# KiCad board motherboard.kicad_pcb (continued)
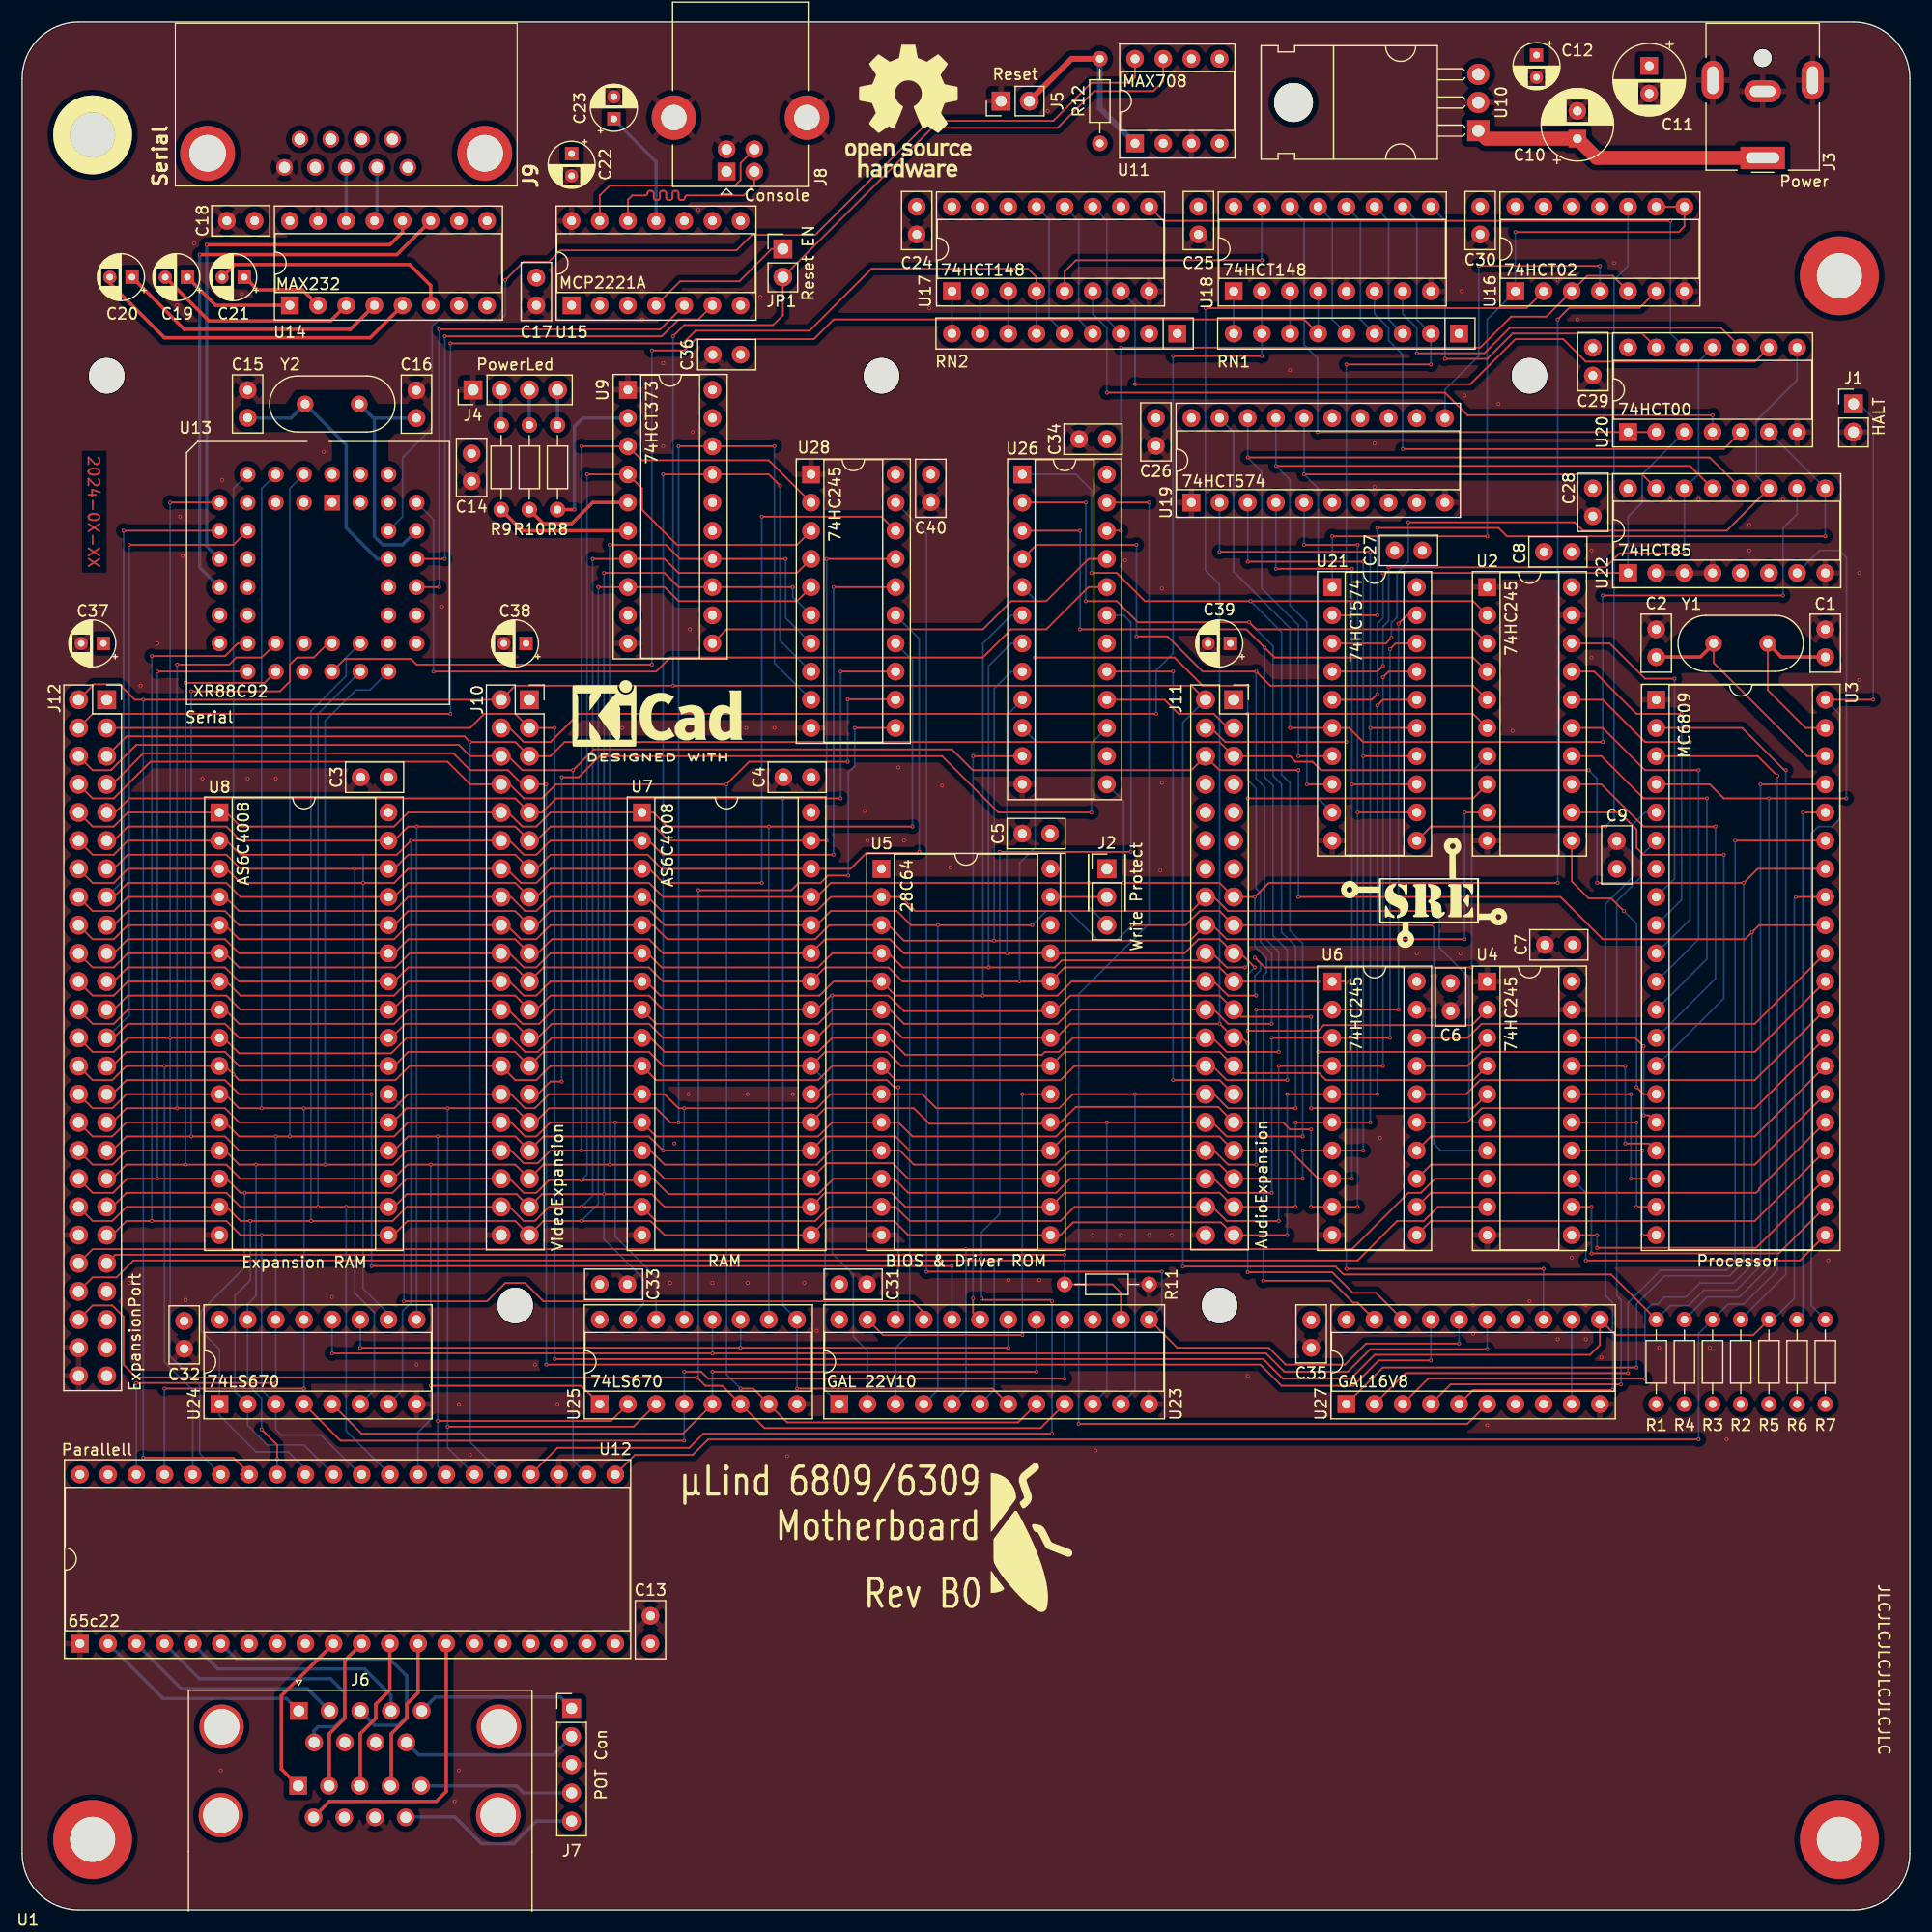
[diagram p0: board, top side]
## Nets
GND: C1.2 C2.2 C3.2 C4.2 C5.2 C6.2 C7.2 C8.2 C9.2 C10.2 C11.2 C12.2 C13.2 C14.2 C15.2 C16.2 C17.2 C18.2 C22.2 C23.2 C24.2 C25.2 C26.2 C27.2 C28.2 C29.2 C30.2 C31.2 C32.2 C33.2 C34.2 C35.2 C36.2 C37.2 C38.2 C39.2 C40.2 J1.2 J3.2 J3.MP J4.1 J5.1 J6.8 J6.18 J7.3 J8.4 J8.5 J9.5 J10.40 J11.40 J12.40 J12.48 J12.50 R11.2 U2.1 U2.10 U2.19 U3.1 U4.1 U4.10 U4.19 U5.14 U6.10 U6.19 U7.16 U8.16 U9.1 U9.10 U10.2 U11.3 U12.1 U12.23 U14.15 U15.14 U16.7 U17.8 U18.5 U18.8 U19.1 U19.10 U20.7 U21.10 U22.2 U22.3 U22.4 U22.8 U23.12 U24.8 U25.8 U26.12 U27.10 U28.1 U28.10
VCC: C3.1 C4.1 C5.1 C6.1 C7.1 C8.1 C9.1 C11.1 C12.1 C13.1 C14.1 C17.1 C18.1 C22.1 C24.1 C25.1 C26.1 C27.1 C28.1 C29.1 C30.1 C31.1 C32.1 C33.1 C34.1 C35.1 C36.1 C37.1 C38.1 C39.1 C40.1 J2.1 J6.7 J6.17 J10.1 J11.1 J12.1 J12.47 J12.49 R1.2 R2.2 R3.2 R4.2 R5.2 R6.2 R7.2 R12.1 RN1.1 RN2.1 U2.20 U3.7 U4.20 U5.28 U6.20 U7.32 U8.32 U9.20 U10.3 U11.2 U12.20 U13.40 U14.16 U15.1 U16.11 U16.12 U16.14 U17.16 U18.16 U19.20 U20.14 U21.20 U22.16 U23.24 U24.16 U25.16 U26.24 U27.20 U28.20
/A0: J10.32 J11.32 J12.32 U2.2 U5.10 U7.12 U8.12 U12.38 U13.2 U23.10 U24.14 U25.14 U26.1
/A1: J10.30 J11.30 J12.30 U2.3 U5.9 U7.11 U8.11 U12.37 U13.4 U23.11 U24.13 U25.13 U26.2
/A2: J10.28 J11.28 J12.28 U2.4 U5.8 U7.10 U8.10 U12.36 U13.6 U26.3
/A3: J10.26 J11.26 J12.26 U2.5 U5.7 U7.9 U8.9 U12.35 U13.7 U26.4
/A4: J10.24 J11.24 J12.24 U2.6 U5.6 U7.8 U8.8 U26.5
/A5: J10.22 J11.22 J12.22 U2.7 U5.5 U7.7 U8.7 U26.6
/A6: J10.20 J11.20 J12.20 U2.8 U5.4 U7.6 U8.6 U26.7
/A7: J10.18 J11.18 J12.18 U2.9 U5.3 U7.5 U8.5 U26.8
/A8: J10.19 J11.19 J12.19 U4.2 U5.25 U7.27 U8.27 U26.9
/A9: J10.21 J11.21 J12.21 U4.3 U5.24 U7.26 U8.26 U26.10
/A10: J10.27 J11.27 J12.27 U4.4 U5.21 U7.23 U8.23 U23.1
/A11: J10.23 J11.23 J12.23 U4.5 U5.23 U7.25 U8.25 U23.2
/A12: J10.16 J11.16 J12.16 U4.6 U5.2 U7.4 U8.4 U23.3
/A13: J10.17 J11.17 J12.17 U4.7 U7.28 U8.28 U23.4
/A14: J12.42 U4.8 U23.5
/A15: J12.44 U4.9 U23.6
/Address-Logic/A14/A0: U23.17 U24.5 U25.5
/Address-Logic/A15/A1: U23.16 U24.4 U25.4
/Address-Logic/BA: U3.6 U27.4
/Address-Logic/BS: U3.5 U27.5
/Address-Logic/Q: U3.35 U27.2
/Address-Logic/~{EXP_EN}: U26.14
/Address-Logic/~{IO_EN}: U23.19 U26.11
/Address-Logic/~{IRQ_EN}: U16.3 U16.5 U26.22
/Address-Logic/~{MAP_RD}: U23.18 U24.11 U25.11
/Address-Logic/~{MEM_EN}: U26.23 U27.6
/Address-Logic/~{MEM_RD}: U23.13 U27.16 U28.19
/Address-Logic/~{MEM_WR}: U24.12 U25.12 U27.15
/Address-Logic/~{PAR_EN}: U12.24 U26.19
/Address-Logic/~{POWERLED_EN}: U9.11 U26.21
/Address-Logic/~{PS2_EN}: U26.18
/Address-Logic/~{RAMH_EN}: U8.22 U23.21
/Address-Logic/~{RAML_EN}: U7.22 U23.22
/Address-Logic/~{ROM_EN}: U5.20 U23.23
/Address-Logic/~{R}/W: U6.1 U27.13
/Address-Logic/~{SER_EN}: U13.39 U26.20
/Address-Logic/~{SNDL_EN}: J11.29 U26.17
/Address-Logic/~{SNDR_EN}: J11.3 U26.16
/Address-Logic/~{VDC_EN}: J10.29 U26.15
/AM14: J10.14 J12.14 U7.3 U8.3 U24.10 U28.18
/AM15: J10.11 J12.11 U7.31 U8.31 U24.9 U28.17
/AM16: J10.12 J12.12 U7.2 U8.2 U24.7 U28.16
/AM17: J10.13 J12.13 U7.30 U8.30 U24.6 U28.15
/AM18: J10.10 J12.10 U7.1 U8.1 U25.10 U28.14
/AM19: J10.9 J12.9 U23.7 U25.9 U28.13
/AM20: J10.8 J12.8 U23.8 U25.7 U28.12
/AM21: J12.46 U23.9 U25.6 U28.11
/CPU_MEM/MRDY: R6.1 U3.36
/CPU_MEM/pA0: U2.18 U3.8
/CPU_MEM/pA1: U2.17 U3.9
/CPU_MEM/pA2: U2.16 U3.10
/CPU_MEM/pA3: U2.15 U3.11
/CPU_MEM/pA4: U2.14 U3.12
/CPU_MEM/pA5: U2.13 U3.13
/CPU_MEM/pA6: U2.12 U3.14
/CPU_MEM/pA7: U2.11 U3.15
/CPU_MEM/pA8: U3.16 U4.18
/CPU_MEM/pA9: U3.17 U4.17
/CPU_MEM/pA10: U3.18 U4.16
/CPU_MEM/pA11: U3.19 U4.15
/CPU_MEM/pA12: U3.20 U4.14
/CPU_MEM/pA13: U3.21 U4.13
/CPU_MEM/pA14: U3.22 U4.12
/CPU_MEM/pA15: U3.23 U4.11
/CPU_MEM/pD0: U3.31 U6.18
/CPU_MEM/pD1: U3.30 U6.17
/CPU_MEM/pD2: U3.29 U6.16
/CPU_MEM/pD3: U3.28 U6.15
/CPU_MEM/pD4: U3.27 U6.14
/CPU_MEM/pD5: U3.26 U6.13
/CPU_MEM/pD6: U3.25 U6.12
/CPU_MEM/pD7: U3.24 U6.11
/CPU_MEM/~{FIRQ}: R4.1 U3.4 U22.7
/CPU_MEM/~{HALT}: J1.1 R7.1 U3.40
/CPU_MEM/~{IRQ}: R3.1 U3.3 U12.21
/CPU_MEM/~{NMI}: R2.1 U3.2
/D0: J10.34 J11.34 J12.34 U5.11 U6.2 U7.13 U8.13 U9.3 U12.33 U13.28 U21.19 U24.15 U28.2
/D1: J10.36 J11.36 J12.36 U5.12 U6.3 U7.14 U8.14 U9.4 U12.32 U13.18 U21.18 U24.1 U28.3
/D2: J10.38 J11.38 J12.38 U5.13 U6.4 U7.15 U8.15 U9.7 U12.31 U13.27 U21.17 U24.2 U28.4
/D3: J10.39 J11.39 J12.39 U5.15 U6.5 U7.17 U8.17 U9.8 U12.30 U13.19 U21.16 U24.3 U28.5
/D4: J10.37 J11.37 J12.37 U5.16 U6.6 U7.18 U8.18 U9.13 U12.29 U13.26 U19.2 U21.15 U25.15 U28.6
/D5: J10.35 J11.35 J12.35 U5.17 U6.7 U7.19 U8.19 U9.14 U12.28 U13.20 U19.3 U21.14 U25.1 U28.7
/D6: J10.33 J11.33 J12.33 U5.18 U6.8 U7.20 U8.20 U9.17 U12.27 U13.25 U19.4 U21.13 U25.2 U28.8
/D7: J10.31 J11.31 J12.31 U5.19 U6.9 U7.21 U8.21 U9.18 U12.26 U13.21 U19.5 U21.12 U25.3 U28.9
/Expansion Ports/BAVAIL: J10.7 J12.7 U27.17
/Expansion Ports/E: J10.5 J11.5 J12.5 U3.34 U12.25 U27.1
/Expansion Ports/R/~{W}: J10.6 J11.6 J12.6 U3.32 U12.22 U27.3
/Expansion Ports/~{BREQ}: J10.3 J12.3 R5.1 U3.33 U27.11
/Expansion Ports/~{MAP_EN}: J12.41 R11.1 U23.14
/Expansion Ports/~{RAMX_EN}: J12.29 U23.20
/Expansion Ports/~{RD}: J10.25 J11.25 J12.25 U5.22 U7.24 U8.24 U13.10 U16.2 U27.18
/Expansion Ports/~{RST}: J10.2 J11.2 J12.2 JP1.2 R1.1 U3.37 U11.7 U12.34
/Expansion Ports/~{WR}: J2.3 J10.15 J11.15 J12.15 U7.29 U8.29 U13.9 U16.6 U26.13 U27.19
/Power-Management/RST: U11.8 U13.38
/Serial-Parallel/D+: J8.3 U15.13
/Serial-Parallel/D-: J8.2 U15.12
/~{IRQ_0}: RN2.6 U13.24 U18.4
/~{IRQ_1}: RN2.7 U18.3
/~{IRQ_2}: J10.4 RN2.8 U18.2
/~{IRQ_3}: RN2.9 U18.1
/~{IRQ_4}: RN2.5 U18.13
/~{IRQ_5}: RN2.4 U18.12
/~{IRQ_6}: RN2.3 U18.11
/~{IRQ_7}: J11.4 RN2.2 U18.10
/~{IRQ_8}: J12.4 RN1.6 U17.4
/~{IRQ_9}: RN1.7 U17.3
/~{IRQ_10}: RN1.8 U17.2
/~{IRQ_11}: RN1.9 U17.1
/~{IRQ_12}: RN1.5 U17.13
/~{IRQ_13}: RN1.4 U17.12
/~{IRQ_14}: RN1.3 U17.11
~{RD}': U27.9 U27.12
Net-(J2-Pin_2): J2.2 U5.27
Net-(J4-BA): J4.4 R8.1
Net-(J4-GA): J4.3 R10.1
Net-(J4-RA): J4.2 R9.1
Net-(J7-Pin_1): J6.5 J7.1
Net-(J7-Pin_2): J6.9 J7.2
Net-(J7-Pin_4): J6.15 J7.4
Net-(J7-Pin_5): J6.19 J7.5
Net-(JP1-A): JP1.1 U15.4
Net-(U3-EXTAL): C2.1 U3.38 Y1.1
Net-(U3-XTAL): C1.1 U3.39 Y1.2
Net-(U9-O0): R8.2 U9.2
Net-(U9-O1): R10.2 U9.5
Net-(U9-O2): R9.2 U9.6
Net-(U10-Vin): C10.1 J3.1 U10.1
Net-(U11-~{MR}): J5.2 R12.2 U11.1
Net-(U12-PA0): J6.1 U12.2
Net-(U12-PA1): J6.2 U12.3
Net-(U12-PA2): J6.6 U12.4
Net-(U12-PA3): J6.4 U12.5
Net-(U12-PA4): J6.3 U12.6
Net-(U12-PB0): J6.11 U12.10
Net-(U12-PB1): J6.12 U12.11
Net-(U12-PB2): J6.13 U12.12
Net-(U12-PB3): J6.14 U12.13
Net-(U12-PB4): J6.16 U12.14
Net-(U13-RxA): U13.35 U15.6
Net-(U13-RxB): U13.11 U14.12
Net-(U13-TxA): U13.33 U15.5
Net-(U13-TxB): U13.13 U14.11
Net-(U13-X1/CLK): C15.1 U13.36 Y2.2
Net-(U13-X2): C16.1 U13.37 Y2.1
Net-(U14-C1+): C19.1 U14.1
Net-(U14-C1-): C19.2 U14.3
Net-(U14-C2+): C20.1 U14.4
Net-(U14-C2-): C20.2 U14.5
Net-(U14-R1IN): J9.2 U14.13
Net-(U14-T1OUT): J9.3 U14.14
Net-(U14-VS+): C21.1 U14.2
Net-(U14-VS-): C21.2 U14.6
Net-(U15-VUSB): C23.1 U15.11
Net-(U17-EI): U17.5 U18.15
Net-(U17-S0): U17.9 U20.12
Net-(U17-S1): U17.7 U20.9
Net-(U17-S2): U17.6 U20.4
Net-(U18-GS): U18.14 U20.1 U20.2
Net-(U18-S0): U18.9 U20.13
Net-(U18-S1): U18.7 U20.10
Net-(U18-S2): U18.6 U20.5
Net-(U19-Cp): U16.4 U19.11
Net-(U19-Q0): U19.19 U21.6 U22.10
Net-(U19-Q1): U19.18 U21.7 U22.12
Net-(U19-Q2): U19.17 U21.8 U22.13
Net-(U19-Q3): U19.16 U21.9 U22.15
Net-(U21-Cp): U16.10 U21.11
Net-(U21-D0): U20.6 U21.2 U22.9
Net-(U21-D1): U20.8 U21.3 U22.11
Net-(U21-D2): U20.11 U21.4 U22.14
Net-(U21-D3): U20.3 U21.5 U22.1
Net-(U21-OE): U16.1 U16.8 U16.9 U21.1

Pads without a net: J6 0; J8 1; J9 1 4 6 7 8 9 MH1 MH2; J11 7 8 9 10 11 12 13 14; J12 43 45; RN1 2; U5 1 26; U9 9 12 15 16 19; U11 4 5 6; U12 7 8 9 15 16 17 18 19 39 40; U13 1 3 5 8 12 14 15 16 17 22 23 29 30 31 32 34 41 42 43 44; U14 7 8 9 10; U15 2 3 7 8 9 10; U16 13; U17 10 14 15; U19 6 7 8 9 12 13 14 15; U22 5 6; U23 15; U27 7 8 14

## Via types
v1: diameter 0.35, hole 0.2, Top to Bottom, 439 vias

## Routing (per net, layer and track width the routed paths; a pad name or vN(x,y) marks a point on that pad's centre or on a via; arc(x,y) is an arc through that point)
GND:
  vias: v1(9.65,56.52) v1(10.67,110.36) v1(12.19,114.17) v1(13.97,144.65) v1(14.22,125.6) v1(14.48,122.05) v1(14.73,54.99) v1(15.49,150.24) v1(16.26,101.98) v1(17.91,12.57) v1(18.03,128.91) v1(19.81,145.67) v1(20.32,101.98) v1(22.86,101.98) v1(27.18,131.44) v1(27.94,55.25) v1(35.56,49.15) v1(37.85,117.47) v1(38.99,9.78) v1(39.37,45.59) v1(39.37,12.57) v1(40.39,41.02) v1(46.23,49.15) v1(48.26,45.59) v1(54.1,106.55) v1(55.88,145.92) v1(55.88,143.38) v1(56.64,106.55) v1(57.78,139.45) v1(57.78,131.95) v1(58.42,56.52) v1(58.8,69.09) v1(60.07,73.53) v1(60.2,115.44) v1(60.45,133.22) v1(60.83,106.55) v1(60.96,153.29) v1(62.23,56.52) v1(65.28,106.55) v1(65.41,73.53) v1(65.41,56.52) v1(66.55,145.42) v1(67.82,106.55) v1(68.96,40.89) v1(69.47,73.53) v1(70.48,56.52) v1(71.63,52.2) v1(75.95,99.06) v1(76.2,96.39) v1(78.99,103) v1(79.5,96.39) v1(79.88,93.98) v1(81.79,144.4) v1(82.93,101.35) v1(83.69,93.98) v1(88.9,56.77) v1(91.69,56.77) v1(92.46,162.18) v1(96.52,60.83) v1(96.77,41.4) v1(99.06,60.83) v1(99.44,121.67) v1(101.6,60.83) v1(102.62,93.73) v1(102.74,119.13) v1(102.74,101.6) v1(103.63,60.83) v1(110.49,48.13) v1(114.3,138.81) v1(117.86,86.23) v1(121.92,132.21) v1(121.92,128.27) v1(122.43,69.6) v1(125.73,86.23) v1(129.67,86.23) v1(129.79,145.92) v1(130.05,136.53) v1(130.81,54.48) v1(130.81,51.94) v1(132.08,43.69) v1(132.33,146.94) v1(133.1,135.76) v1(134.37,106.3) v1(135.89,54.86) v1(138.43,146.94) v1(138.43,51.44) v1(139.7,58.8) v1(140.21,143.38) v1(140.97,54.48) v1(140.97,51.44) v1(141.48,122.56) v1(141.48,112.9) v1(142.37,49.78) v1(143.51,148.46) v1(147.57,50.67) v1(148.59,127.13) v1(151.13,127.13) v1(152.15,50.67) v1(153.67,42.42) v1(155.7,124.84) v1(155.7,122.56) v1(158.75,127.13) v1(162.81,58.55) v1(165.61,120.52) v1(165.61,110.87)
/A0: length 366.4
  Top w0.152: v1(115.44,69.72) 108.58,69.72 107.31,70.99 J11.32 94.49,70.99 93.22,69.72 80.26,69.72 78.99,70.99 U5.10 73.02,70.99 71.75,69.72 57.15,69.72 U7.12 v1(53.47,70.99) 47.62,70.99 46.35,69.72 45.34,69.72 44.07,70.99 J10.32 34.8,70.99 33.53,69.72 19.56,69.72 18.29,70.99 U8.12 9.4,70.99 8.13,69.72 6.35,69.72 J12.32 ; U2.2 130.81,117.98 v1(110.74,117.98) 101.22,117.98 98.68,120.52 v1(96.39,120.52) ; v1(22.86,47.5) v1(10.29,47.5)
  Bottom w0.152: U25.14 57.15,57.02 53.47,60.71 v1(53.47,70.99) ; U13.2 24.13,128.14 v1(24.13,69.72) ; U12.38 v1(10.29,47.5) ; v1(115.44,69.72) 115.44,87.12 114.3,88.27 114.3,101.6 113.54,102.36 113.54,115.19 v1(110.74,117.98) ; U23.10 97.79,46.86 v1(97.79,70.99) ; v1(96.39,120.52) 96.39,128.02 95,129.41 U26.1 ; v1(22.86,47.5) U24.14 v1(22.86,69.72)
/A1: length 364.2
  Top w0.152: J12.30 6.35,72.26 8.13,72.26 9.4,73.53 U8.11 18.29,73.53 19.56,72.26 33.53,72.26 34.8,73.53 J10.30 44.07,73.53 45.34,72.26 46.23,72.26 47.5,73.53 U7.11 57.91,73.53 59.18,72.26 71.63,72.26 72.9,73.53 U5.9 81.15,73.53 82.42,72.26 93.47,72.26 94.74,73.53 J11.30 107.44,73.53 108.71,72.26 v1(114.81,72.26) ; v1(95.88,117.98) 98.68,117.98 100.58,116.08 v1(110.62,116.08) 111.25,115.44 130.81,115.44 U2.3 ; v1(95.88,126.87) U26.2 ; v1(12.83,46.99) v1(25.4,46.99)
  Bottom w0.152: U25.13 v1(59.69,72.26) ; v1(114.81,72.26) 114.81,86.87 113.54,88.14 113.54,101.47 112.78,102.24 112.78,113.92 v1(110.62,116.08) ; U23.11 100.33,46.86 v1(100.33,73.53) ; 12.83,39.24 v1(12.83,46.99) ; v1(21.59,72.26) 21.59,128.14 U13.4 ; v1(25.4,72.26) U24.13 v1(25.4,46.99) ; v1(95.88,117.98) v1(95.88,126.87)
/A2: length 299.5
  Top w0.152: v1(95.38,124.33) U26.3 ; v1(114.05,74.8) 108.58,74.8 107.31,76.07 J11.28 94.87,76.07 93.6,74.8 78.74,74.8 U5.8 73.02,76.07 71.75,74.8 57.15,74.8 U7.10 47.62,76.07 46.35,74.8 44.45,74.8 J10.28 34.92,76.07 33.66,74.8 19.56,74.8 18.29,76.07 U8.10 v1(12.83,76.07) 9.4,76.07 8.13,74.8 6.35,74.8 J12.28 ; v1(95.38,115.44) 110.36,115.44 v1(112.01,113.79) 112.9,112.9 130.81,112.9 U2.4
  Bottom w0.152: v1(19.05,75.31) 19.05,128.14 U13.6 ; v1(95.38,115.44) v1(95.38,124.33) ; v1(114.05,74.8) 114.05,86.55 112.78,87.82 112.78,101.35 112.01,102.11 v1(112.01,113.79) ; 15.37,39.24 15.37,46.86 12.83,49.4 v1(12.83,76.07)
/A3: length 296.5
  Top w0.152: v1(100.46,123.06) 91.44,123.06 U26.4 ; U2.5 130.81,110.36 112.52,110.36 v1(111.25,111.63) 106.43,111.63 103.25,114.81 v1(100.46,114.81) ; J12.26 6.35,77.34 8.25,77.34 9.53,78.61 v1(13.33,78.61) U8.9 18.16,78.61 19.56,77.22 33.27,77.22 34.67,78.61 J10.26 44.07,78.61 45.34,77.34 46.48,77.34 47.75,78.61 U7.9 56.64,78.61 57.91,77.34 71.75,77.34 73.02,78.61 U5.7 78.1,78.61 79.63,77.09 91.95,77.09 92.2,77.34 93.47,77.34 94.74,78.61 J11.26 107.31,78.61 108.58,77.34 v1(113.28,77.34) ; U13.7 v1(13.33,126.87)
  Bottom w0.152: v1(100.46,123.06) v1(100.46,114.81) ; v1(13.33,126.87) v1(13.33,78.61) 13.33,49.91 16,47.24 16,41.15 U12.35 ; v1(111.25,111.63) 111.25,101.98 112.01,101.22 112.01,87.63 113.28,86.36 v1(113.28,77.34)
/A4: length 193.9
  Top w0.152: v1(112.65,79.88) 108.71,79.88 107.44,81.15 J11.24 94.61,81.15 93.34,79.88 79.5,79.88 78.23,81.15 U5.6 73.02,81.15 71.75,79.88 57.15,79.88 U7.8 47.88,81.15 46.61,79.88 45.08,79.88 43.81,81.15 J10.24 34.8,81.15 33.53,79.88 19.56,79.88 18.29,81.15 U8.8 9.53,81.15 8.25,79.88 6.35,79.88 J12.24 ; v1(110.49,107.82) 130.81,107.82 U2.6 ; v1(110.49,110.36) 106.43,110.36 103.89,112.9 v1(91.31,112.9)
  Bottom w0.152: v1(110.49,110.36) v1(110.49,107.82) 110.49,101.85 111.25,101.09 111.25,92.07 111.63,91.69 111.63,87.25 112.65,86.23 v1(112.65,79.88) ; U26.5 91.31,118.11 v1(91.31,112.9)
/A5: length 191.8
  Top w0.152: J12.22 6.35,82.42 8.25,82.42 9.53,83.69 U8.7 18.41,83.69 19.68,82.42 33.53,82.42 34.8,83.69 J10.22 43.94,83.69 45.21,82.42 46.35,82.42 47.62,83.69 U7.7 56.26,83.69 57.53,82.42 71.88,82.42 73.15,83.69 U5.5 78.74,82.42 v1(86.61,82.42) 93.34,82.42 94.61,83.69 J11.22 107.44,83.69 108.71,82.42 v1(111.25,82.42) ; v1(111.12,85.85) 112.01,84.96 v1(130.68,84.96)
  Bottom w0.152: U2.7 130.68,102.62 v1(130.68,84.96) ; v1(111.25,82.42) 111.12,82.55 111.12,84.2 111.63,84.71 111.63,85.34 v1(111.12,85.85) ; U26.6 89.15,116.71 86.61,114.17 v1(86.61,82.42)
/A6: length 179.5
  Top w0.152: v1(110.49,100.2) 130.81,100.2 U2.8 ; J12.20 6.35,84.96 8.25,84.96 9.53,86.23 U8.6 18.29,86.23 19.56,84.96 33.66,84.96 34.92,86.23 J10.20 43.94,86.23 45.21,84.96 46.35,84.96 47.62,86.23 U7.6 56.39,86.23 57.66,84.96 71.75,84.96 73.02,86.23 U5.4 78.1,86.23 79.38,84.96 v1(87.12,84.96) 93.09,84.96 93.73,85.6 106.05,85.6 J11.20 107.31,86.23 108.58,84.96 v1(110.24,84.96)
  Bottom w0.152: v1(110.24,84.96) 110.49,85.22 v1(110.49,100.2) ; v1(87.12,84.96) 87.12,112.14 89.15,114.17 U26.7
/A7: length 170.2
  Top w0.152: J12.18 6.35,87.5 8.25,87.5 9.53,88.77 U8.5 18.29,88.77 19.56,87.5 33.53,87.5 34.8,88.77 J10.18 43.69,88.77 44.96,87.5 46.35,87.5 47.62,88.77 U7.5 56.9,88.77 58.17,87.5 71.5,87.5 72.77,88.77 78.1,88.77 79.5,87.38 v1(87.63,87.38) 105.28,87.38 J11.18 107.31,88.77 108.58,87.5 v1(130.05,87.5) ; v1(130.05,98.93) U2.9
  Bottom w0.152: U26.8 89.15,111.63 87.63,110.11 v1(87.63,87.38) ; v1(130.05,87.5) v1(130.05,98.93)
/A8: length 161.1
  Top w0.152: v1(110.49,79.25) 116.84,79.25 117.35,79.76 130.68,79.76 U4.2 ; v1(111.12,84.96) 109.86,86.23 J11.19 107.95,87.5 106.05,87.5 104.77,86.23 U5.25 v1(88.77,86.23) 79.5,86.23 78.23,87.5 72.39,87.5 U7.27 57.78,86.23 56.52,87.5 47.75,87.5 46.48,86.23 J10.19 44.45,87.5 34.8,87.5 33.53,86.23 U8.27 19.56,86.23 18.29,87.5 9.53,87.5 8.25,86.23 J12.19
  Bottom w0.152: v1(88.77,86.23) 88.77,107.7 U26.9 ; v1(111.12,84.96) 110.49,84.33 v1(110.49,79.25)
/A9: length 160.5
  Top w0.152: U4.3 130.81,77.34 v1(116.84,77.34) ; v1(116.84,83.69) J11.21 107.95,84.96 93.98,84.96 U5.24 v1(89.92,83.69) 79.38,83.69 78.1,84.96 72.39,84.96 U7.26 57.78,83.69 56.52,84.96 46.99,84.96 J10.21 44.45,84.96 34.8,84.96 33.53,83.69 U8.26 19.56,83.69 18.29,84.96 9.53,84.96 8.25,83.69 J12.21
  Bottom w0.152: v1(116.84,77.34) v1(116.84,83.69) ; U26.10 91.31,105.41 91.31,95.76 89.92,94.36 v1(89.92,83.69)
/A10: length 162.3
  Top w0.152: J12.27 8.13,76.07 9.4,77.34 18.29,77.34 19.56,76.07 U8.23 33.53,76.07 34.8,77.34 44.45,77.34 J10.27 46.99,77.34 56.52,77.34 57.78,76.07 U7.23 72.39,77.34 77.98,77.34 79.25,76.07 U5.21 93.98,77.34 107.95,77.34 J11.27 109.86,75.44 116.9,75.44 117.54,74.8 130.81,74.8 U4.4
  Bottom w0.152: U23.1 72.39,46.86 72.39,74.8 U7.23
/A11: length 177
  Top w0.152: J12.23 8.25,81.15 9.53,82.42 18.41,82.42 19.68,81.15 U8.25 33.4,81.15 34.67,82.42 44.45,82.42 J10.23 46.35,81.15 47.62,82.42 56.52,82.42 57.78,81.15 U7.25 71.63,81.15 72.9,82.42 78.1,82.42 79.5,81.03 92.58,81.03 U5.23 93.22,81.15 94.49,82.42 107.95,82.42 J11.23 109.86,80.52 v1(116.2,80.52) ; U4.5 130.81,72.26 v1(116.2,72.26)
  Bottom w0.152: U23.2 76.2,50.42 74.93,51.69 74.93,57.28 73.02,59.18 v1(73.02,82.42) ; v1(116.2,80.52) v1(116.2,72.26)
/A12: length 195.5
  Top w0.152: J12.16 6.35,90.04 8.25,90.04 9.53,91.31 U8.4 18.29,91.31 19.56,90.04 33.53,90.04 34.8,91.31 J10.16 44.07,91.31 45.34,90.04 46.35,90.04 47.62,91.31 U7.4 56.39,91.31 57.66,90.04 71.63,90.04 72.9,91.31 U5.2 79.25,91.31 80.52,90.04 105.41,90.04 J11.16 107.44,91.31 108.71,90.04 v1(127.76,90.04)
  Bottom w0.152: U4.6 130.94,70.99 130.43,71.5 130.43,84.07 127.76,86.74 v1(127.76,90.04) ; v1(80.01,90.55) 80.01,51.94 78.74,50.67 U23.3
/A13: length 195.6
  Top w0.152: v1(127.25,88.77) J11.17 107.95,90.04 106.17,90.04 104.9,88.77 v1(100.08,88.77) ; J12.17 8.25,88.77 9.53,90.04 18.29,90.04 19.56,88.77 U8.28 33.53,88.77 34.8,90.04 44.45,90.04 J10.17 46.35,88.77 47.62,90.04 56.64,90.04 57.91,88.77 U7.28 71.63,88.77 72.9,90.04 78.87,90.04 80.14,88.77 v1(91.06,88.77)
  Bottom w0.152: v1(91.06,88.77) 92.33,90.04 94.36,90.04 97.03,87.38 98.68,87.38 v1(100.08,88.77) ; U23.4 82.55,46.86 v1(82.55,88.77) ; U4.7 127.89,68.45 127.25,69.09 v1(127.25,88.77)
/A14: length 144.7
  Top w0.152: U4.8 127.38,65.91 126.11,64.64 124.97,64.64 119.89,59.56 6.35,59.56 J12.42
  Bottom w0.152: U23.5 85.09,46.86 v1(85.09,59.56)
/A15: length 143.6
  Top w0.152: J12.44 6.35,57.02 8.51,57.02 10.03,58.55 120.4,58.55 123.95,62.1 126.36,62.1 127.64,63.37 U4.9
  Bottom w0.152: v1(87.63,58.55) 87.63,46.86 U23.6
/Address-Logic/A14/A0: length 73.3
  Top w0.152: U25.5 59.56,42.93 30.61,42.93 U24.5 ; v1(91.44,48.51) v1(62.23,48.51)
  Bottom w0.152: v1(62.23,48.51) U25.5 ; U23.17 v1(91.44,48.51)
/Address-Logic/A15/A1: length 81.8
  Top w0.152: v1(59.69,42.29) 28.7,42.29 U24.4 ; v1(93.98,47.88) 61.85,47.88 61.21,48.51 v1(59.69,48.51)
  Bottom w0.152: v1(59.69,48.51) U25.4 v1(59.69,42.29) ; U23.16 v1(93.98,47.88)
/Address-Logic/BA: length 68.5
  Top w0.152: v1(144.15,47.37) 128.78,47.37 U27.4
  Bottom w0.152: U3.6 145.92,95 145.92,93.09 143.76,90.93 143.76,55.37 144.15,54.99 v1(144.15,47.37)
/Address-Logic/BS: length 69.2
  Top w0.152: U27.5 130.81,46.86 v1(143.38,46.86)
  Bottom w0.152: U3.5 146.3,98.93 145.16,97.79 145.16,93.09 142.75,90.68 142.75,55.37 143.38,54.74 v1(143.38,46.86)
/Address-Logic/Q: length 87.6
  Top w0.152: v1(144.78,48.39) 124.71,48.39 U27.2 ; U3.35 v1(154.43,96.39)
  Bottom w0.152: v1(144.78,48.39) 144.78,54.74 147.7,57.66 153.67,57.66 154.43,58.42 v1(154.43,96.39)
/Address-Logic/~{IO_EN}: length 55.5
  Top w0.152: v1(85.72,55.12) 85.72,53.85 U23.19 ; v1(85.72,104.01) U26.11
  Bottom w0.152: v1(85.72,104.01) v1(85.72,55.12)
/Address-Logic/~{IRQ_EN}: length 66.8
  Top w0.152: U16.5 143.38,147.32 141.1,147.32 U16.3 137.41,143.64 134.24,143.64 131.45,140.84 v1(99.06,140.84) ; v1(99.06,124.33) U26.22
  Bottom w0.152: v1(99.06,140.84) v1(99.06,124.33)
/Address-Logic/~{MAP_RD}: length 66
  Top w0.152: v1(30.48,50.67) v1(64.77,50.67) v1(88.9,50.67)
  Bottom w0.152: v1(30.48,50.67) U24.11 ; v1(64.77,50.67) U25.11 ; U23.18 v1(88.9,50.67)
/Address-Logic/~{MEM_EN}: length 127.1
  Top w0.152: U27.6 130.3,43.81 v1(95.25,43.81) ; v1(101.6,126.87) U26.23
  Bottom w0.152: v1(95.25,43.81) 95.25,82.55 101.6,88.9 v1(101.6,126.87)
/Address-Logic/~{MEM_RD}: length 129.1
  Top w0.152: U23.13 104.14,50.67 112.39,50.67 113.92,49.15 119.25,49.15 121.16,51.05 v1(129.54,51.05) ; v1(102.74,57.53) v1(81.53,57.53)
  Bottom w0.152: U28.19 81.53,124.08 v1(81.53,57.53) ; v1(102.74,57.53) 102.74,54.36 U23.13 ; U27.16 v1(129.54,51.05)
/Address-Logic/~{MEM_WR}: length 114.4
  Top w0.152: v1(132.08,50.55) 121.54,50.55 119.51,48.51 113.79,48.51 112.14,50.16 v1(62.23,50.16) v1(27.94,50.16)
  Bottom w0.152: U25.12 v1(62.23,50.16) ; U24.12 v1(27.94,50.16) ; U27.15 v1(132.08,50.55)
/Address-Logic/~{PAR_EN}: length 142.9
  Top w0.152: U12.24 48.26,41.66 60.13,41.66 61.4,42.93 v1(92.84,42.93) ; v1(86.49,55.12) 86.61,54.99 92.71,54.99 v1(92.84,54.86) ; v1(88.14,95.38) v1(99.95,95.38)
  Bottom w0.152: v1(99.95,95.38) 99.95,116.08 99.31,116.71 U26.19 ; v1(88.14,95.38) 88.14,62.74 86.49,61.09 v1(86.49,55.12) 86.49,54.99 ; v1(92.84,54.86) v1(92.84,42.93)
/Address-Logic/~{POWERLED_EN}: length 38.7
  Top w0.152: U9.11 63.5,115.44 86.61,115.44 89.15,117.98 92.33,117.98 96.14,121.79 U26.21
/Address-Logic/~{RAMH_EN}: length 68.6
  Top w0.152: U23.21 81.28,53.85 80.26,54.86 46.99,54.86 45.34,56.52 43.56,56.52 41.91,54.86 v1(34.42,54.86)
  Bottom w0.152: v1(34.42,54.86) 34.42,72.26 33.15,73.53 U8.22
/Address-Logic/~{RAML_EN}: length 29.7
  Top w0.152: v1(78.99,74.17) 78.61,74.17 77.98,74.8 72.77,74.8 71.5,73.53 U7.22
  Bottom w0.152: U23.22 78.99,53.47 v1(78.99,74.17)
/Address-Logic/~{ROM_EN}: length 38.8
  Top w0.152: U23.23 77.6,51.82 v1(90.17,51.82) ; v1(90.17,73.53) U5.20
  Bottom w0.152: v1(90.17,51.82) v1(90.17,73.53)
/Address-Logic/~{R}/W: length 49.5
  Top w0.152: U6.1 v1(119.38,83.69) ; v1(119.38,57.78) v1(137.16,57.78)
  Bottom w0.152: v1(119.38,83.69) v1(119.38,57.78) ; v1(137.16,57.78) U27.13
/Address-Logic/~{SER_EN}: length 79.7
  Top w0.152: U26.20 96.14,119.25 92.33,115.44 89.15,115.44 86.61,112.9 58.42,112.9 57.15,111.63 v1(37.08,111.63)
  Bottom w0.152: U13.39 37.08,125.35 v1(37.08,111.63)
/Address-Logic/~{SNDL_EN}: length 48.8
  Top w0.152: J11.29 107.95,74.8 v1(103.76,74.8) ; v1(103.76,111.63) U26.17
  Bottom w0.152: v1(103.76,111.63) v1(103.76,74.8)
/Address-Logic/~{SNDR_EN}: length 12.5
  Top w0.152: U26.16 103,109.09 104.27,107.82 107.44,107.82 108.71,106.55 J11.3
/Address-Logic/~{VDC_EN}: length 89.7
  Top w0.152: J10.29 46.48,73.53 47.62,74.68 v1(48.64,74.68) ; v1(96.39,98.93) 88.01,98.93 82.93,104.01 52.07,104.01 50.16,102.11 v1(48.64,102.11)
  Bottom w0.152: v1(96.39,98.93) 96.39,105.16 U26.15 ; v1(48.64,102.11) v1(48.64,74.68)
/AM14: length 156.3
  Top w0.152: J12.14 6.35,92.58 8.25,92.58 9.53,93.85 U8.3 18.41,93.85 19.68,92.58 v1(30.73,92.58) 33.53,92.58 34.8,93.85 J10.14 43.69,93.85 44.96,92.58 46.35,92.58 47.62,93.85 U7.3 56.54,93.85 57.81,92.58 v1(66.67,92.58) ; U28.18 77.47,125.6 v1(66.67,125.6)
  Bottom w0.152: v1(30.73,92.58) 30.73,95.12 30.73,56.01 33.02,53.72 U24.10 ; v1(66.67,92.58) v1(66.67,125.6)
/AM15: length 144.1
  Top w0.152: J12.11 8.25,96.39 9.53,97.66 18.41,97.66 19.68,96.39 U8.31 33.53,96.39 34.8,97.66 v1(35.56,97.66) 44.45,97.66 J10.11 46.35,96.39 47.62,97.66 57.02,97.66 58.29,96.39 U7.31 v1(72.52,96.39) ; v1(72.52,121.79) U28.17
  Bottom w0.152: v1(72.52,96.39) v1(72.52,121.79) ; U24.9 v1(35.56,97.66)
/AM16: length 153.1
  Top w0.152: v1(73.15,95.12) 57.76,95.12 56.49,96.39 U7.2 47.62,96.39 46.35,95.12 45.21,95.12 43.94,96.39 J10.12 v1(35.05,96.39) 33.78,95.12 19.68,95.12 18.41,96.39 U8.2 9.53,96.39 8.25,95.12 6.35,95.12 J12.12 ; v1(73.15,119.25) U28.16
  Bottom w0.152: U24.7 34.29,46.86 34.29,53.97 35.05,54.74 v1(35.05,96.39) ; v1(73.15,95.12) v1(73.15,119.25)
/AM17: length 148.8
  Top w0.152: v1(80.87,95.38) 80.75,95.25 76.07,95.25 74.68,93.85 U7.30 57.66,93.85 56.39,95.12 47.62,95.12 46.35,93.85 J10.13 44.45,95.12 34.8,95.12 33.53,93.85 U8.30 v1(29.97,93.85) 19.68,93.85 18.41,95.12 9.53,95.12 8.25,93.85 J12.13
  Bottom w0.152: U24.6 31.75,46.86 31.75,53.85 29.97,55.63 v1(29.97,93.85) ; U28.15 80.87,114.58 v1(80.87,95.38)
/AM18: length 140.5
  Top w0.152: J12.10 6.35,97.66 8.25,97.66 9.53,98.93 U8.1 18.41,98.93 19.68,97.66 33.53,97.66 34.8,98.93 J10.10 43.81,98.93 45.08,97.66 46.35,97.66 47.62,98.93 U7.1 56.9,98.93 58.17,97.66 v1(67.31,97.66) v1(80.26,97.66)
  Bottom w0.152: v1(80.26,97.66) 80.26,112.65 U28.14 ; v1(67.31,97.66) U25.10
/AM19: length 157.7
  Top w0.152: v1(73.79,111.63) U28.13 ; J12.9 8.38,98.93 9.65,100.2 44.45,100.2 J10.9 46.86,98.93 48.13,100.2 v1(68.58,100.2) v1(73.79,100.2) ; U23.7 87.5,46.99 v1(69.85,46.99)
  Bottom w0.152: v1(69.85,46.99) U25.9 68.58,54.48 68.58,100.08 68.71,100.2 v1(68.58,100.2) ; v1(73.79,100.2) v1(73.79,111.63)
/AM20: length 167.6
  Top w0.152: U28.12 78.69,109.14 v1(74.42,109.14) ; U23.8 89.79,43.94 68.96,43.94 U25.7 65.91,46.99 v1(64.77,46.99) ; J12.8 6.35,100.2 8.25,100.2 11.56,103.5 38.35,103.5 40.39,101.47 J10.8 43.94,101.47 45.21,100.2 46.86,100.2 48.13,101.47 v1(63.5,101.47) 65.53,103.5 v1(74.42,103.5)
  Bottom w0.152: v1(63.5,101.47) 63.5,48.26 v1(64.77,46.99) ; v1(74.42,103.5) v1(74.42,109.14)
/AM21: length 172.7
  Top w0.152: v1(60.96,91.92) 69.34,91.92 70,92.58 71.98,92.58 72.64,93.24 v1(74.47,93.24) ; v1(75.06,106.55) U28.11 ; U23.9 91.82,43.43 66.93,43.43 U25.6 63.12,47.24 61.59,47.24 v1(60.83,48.01) 10.29,48.01 9.14,49.15 9.14,53.47 8.13,54.48 6.35,54.48 J12.46
  Bottom w0.152: v1(60.83,48.01) 60.96,48.13 v1(60.96,91.92) ; v1(74.47,93.24) 74.47,102.54 75.06,103.12 v1(75.06,106.55)
/CPU_MEM/MRDY: length 48
  Top w0.152: v1(160.53,98.93) U3.36
  Bottom w0.152: v1(160.53,98.93) 160.53,53.72 R6.1
/CPU_MEM/pA0: length 31
  Top w0.152: v1(148.97,111) 146.3,111 143.13,114.17 U2.18
  Bottom w0.152: U3.8 148.97,92.96 v1(148.97,111)
/CPU_MEM/pA1: length 31.5
  Top w0.152: U2.17 141.73,111.63 145.54,107.82 v1(149.61,107.82)
  Bottom w0.152: v1(149.61,107.82) 149.61,91.06 U3.9
/CPU_MEM/pA2: length 32.6
  Top w0.152: v1(150.37,105.28) 146.3,105.28 142.49,109.09 U2.16
  Bottom w0.152: v1(150.37,105.28) 150.37,89.28 U3.10
/CPU_MEM/pA3: length 33.6
  Top w0.152: U2.15 142.49,106.55 146.3,102.74 v1(151.13,102.74)
  Bottom w0.152: v1(151.13,102.74) 151.13,87.5 U3.11
/CPU_MEM/pA4: length 34.7
  Top w0.152: U2.14 142.37,104.01 146.18,100.2 v1(151.89,100.2)
  Bottom w0.152: U3.12 151.89,85.72 v1(151.89,100.2)
/CPU_MEM/pA5: length 35.8
  Top w0.152: v1(152.65,97.66) 146.18,97.66 142.37,101.47 U2.13
  Bottom w0.152: U3.13 152.65,83.95 v1(152.65,97.66)
/CPU_MEM/pA6: length 37.8
  Top w0.152: v1(153.42,95.12) 146.18,95.12 145.54,95.76 145.54,97.41 144.02,98.93 U2.12
  Bottom w0.152: v1(153.42,95.12) 153.42,82.17 U3.14
/CPU_MEM/pA7: length 27.9
  Top w0.152: U2.11 139.7,92.71 141.22,91.19 143.26,91.19 v1(144.4,90.04) ; U3.15 146.18,73.53 v1(145.54,74.17)
  Bottom w0.152: v1(145.54,74.17) 145.54,88.9 v1(144.4,90.04)
/CPU_MEM/pA8: length 14.4
  Top w0.152: U3.16 146.69,71.63 v1(146.18,71.63) ; v1(146.18,77.85) 145.42,78.61 U4.18
  Bottom w0.152: v1(146.18,71.63) v1(146.18,77.85)
/CPU_MEM/pA9: length 14.9
  Top w0.152: v1(144.53,76.07) U4.17 ; U3.17 146.69,69.09 v1(144.53,69.09)
  Bottom w0.152: v1(144.53,76.07) v1(144.53,69.09)
/CPU_MEM/pA10: length 15.2
  Top w0.152: v1(145.03,73.53) U4.16 ; U3.18 v1(145.03,65.91)
  Bottom w0.152: v1(145.03,65.91) v1(145.03,73.53)
/CPU_MEM/pA11: length 15.2
  Top w0.152: U3.19 v1(145.54,63.37) ; v1(145.54,70.99) U4.15
  Bottom w0.152: v1(145.54,63.37) v1(145.54,70.99)
/CPU_MEM/pA12: length 15.2
  Top w0.152: v1(146.05,68.45) U4.14 ; U3.20 v1(146.05,60.83)
  Bottom w0.152: v1(146.05,60.83) v1(146.05,68.45)
/CPU_MEM/pA13: length 30.4
  Top w0.152: v1(140.97,58.55) 160.27,58.55 U3.21
  Bottom w0.152: v1(140.97,58.55) 140.97,64.64 U4.13
/CPU_MEM/pA14: length 28.8
  Top w0.152: v1(141.48,59.18) 158.37,59.18 U3.22 ; v1(141.48,63.37) U4.12
  Bottom w0.152: v1(141.48,59.18) v1(141.48,63.37)
/CPU_MEM/pA15: length 26.6
  Top w0.152: U3.23 156.34,59.69 v1(141.99,59.69) ; v1(141.99,60.83) U4.11
  Bottom w0.152: v1(141.99,59.69) v1(141.99,60.83)
/CPU_MEM/pD0: length 40
  Top w0.152: U3.31 156.21,79.88 131.57,79.88 130.3,78.61 U6.18
/CPU_MEM/pD1: length 40
  Top w0.152: U3.30 156.21,77.34 131.57,77.34 130.3,76.07 U6.17
/CPU_MEM/pD2: length 40
  Top w0.152: U3.29 156.21,74.8 131.45,74.8 130.18,73.53 U6.16
/CPU_MEM/pD3: length 40
  Top w0.152: U3.28 156.21,72.26 131.57,72.26 130.3,70.99 U6.15
/CPU_MEM/pD4: length 40
  Top w0.152: U3.27 156.21,69.72 127,69.72 U6.14
/CPU_MEM/pD5: length 40
  Top w0.152: U6.13 127,67.18 156.21,67.18 U3.26
/CPU_MEM/pD6: length 40.1
  Top w0.152: U6.12 127,64.64 156.34,64.64 156.59,64.9 156.59,65.02 U3.25
/CPU_MEM/pD7: length 40
  Top w0.152: U3.24 156.21,62.1 127,62.1 U6.11
/CPU_MEM/~{FIRQ}: length 96.8
  Top w0.152: v1(164.47,100.2) v1(157.48,100.2) 153.42,100.2 152.15,101.47 U3.4
  Bottom w0.152: U22.7 162.05,122.56 163.83,122.56 164.47,121.92 v1(164.47,100.2) ; v1(157.48,100.2) 157.48,57.91 154.81,55.25 151.89,55.25 R4.1
/CPU_MEM/~{HALT}: length 90.8
  Top w0.152: U3.40 v1(166.88,109.09)
  Bottom w0.152: v1(166.88,109.09) 166.88,134.49 165.61,135.76 J1.1 ; R7.1 161.29,54.48 161.29,97.03 161.93,97.66 163.2,97.66 163.83,98.3 163.83,107.82 U3.40
/CPU_MEM/~{IRQ}: length 174.2
  Top w0.152: U3.3 156.46,104.01 v1(158.24,102.24) ; v1(151.13,42.42) 61.85,42.42 60.45,41.02 55.24,41.02 U12.21
  Bottom w0.152: v1(158.24,102.24) 158.24,57.66 155.19,54.61 153.8,54.61 R3.1 151.13,51.94 v1(151.13,42.42)
/CPU_MEM/~{NMI}: length 64.5
  Top w0.152: U3.2 155.07,106.55 158.88,102.74 v1(159,102.74)
  Bottom w0.152: v1(159,102.74) 159,57.28 R2.1
/D0: length 340.2
  Top w0.152: v1(50.42,131.95) U9.3 55.88,130.68 67.31,130.68 U28.2 ; J12.34 6.35,67.18 8.13,67.18 9.4,68.45 U8.13 18.29,68.45 19.56,67.18 33.4,67.18 34.67,68.45 J10.34 44.07,68.45 45.21,67.31 46.48,67.31 47.62,68.45 U7.13 56.64,68.45 57.91,67.18 71.63,67.18 72.9,68.45 78.23,68.45 U5.11 79.12,68.45 80.39,67.18 93.22,67.18 94.49,68.45 J11.34 107.44,68.45 108.71,67.18 v1(111.25,67.18) ; U21.19 124.84,116.71 v1(124.08,115.95) ; v1(124.08,81.15) U6.2 v1(111.25,81.15) ; v1(21.59,43.31) 22.99,41.91 v1(22.99,40.64)
  Bottom w0.152: v1(50.42,68.45) v1(50.42,131.95) ; v1(21.08,67.18) 21.08,55.37 20.32,54.61 U24.15 20.32,47.37 21.59,46.1 v1(21.59,43.31) ; v1(22.99,40.64) U12.33 ; v1(27.3,67.18) 27.3,107.19 30.1,109.98 31.37,109.98 U13.28 ; v1(124.08,81.15) v1(124.08,115.95) ; v1(111.25,67.18) v1(111.25,81.15)
/D1: length 350.6
  Top w0.152: v1(112.65,64.64) 108.71,64.64 107.44,65.91 J11.36 94.49,65.91 93.22,64.64 79.88,64.64 78.61,65.91 U5.12 73.15,65.91 71.75,64.52 58.29,64.52 56.9,65.91 U7.14 55.75,65.79 47.5,65.79 46.35,64.64 45.21,64.64 43.94,65.91 J10.36 34.67,65.91 33.4,64.64 v1(20.07,64.64) 19.68,64.64 18.41,65.91 U8.14 9.46,65.91 8.19,64.64 6.35,64.64 J12.36 ; v1(112.65,78.61) U6.3 v1(123.32,78.61) ; U21.18 123.83,114.17 v1(123.32,113.66) ; U28.3 69.85,123.06 59.03,123.06 57.15,124.94 57.15,124.97 55.88,126.24 55.88,128.14 U9.4 v1(50.93,129.41) ; U13.18 v1(12.19,111.63)
  Bottom w0.152: v1(50.93,129.41) 50.93,66.29 v1(50.42,65.79) ; v1(123.32,78.61) v1(123.32,113.66) ; v1(112.65,78.61) v1(112.65,64.64) ; v1(12.19,111.63) v1(12.19,65.91) ; U12.32 25.53,39.75 24,41.28 21.08,41.28 17.78,44.58 U24.1 17.78,50.55 16.13,52.2 16.13,53.97 20.07,57.91 v1(20.07,64.64)
/D2: length 338.2
  Top w0.152: v1(113.28,76.07) U6.4 v1(122.68,76.07) ; U28.4 69.85,120.52 59.18,120.52 57.91,121.79 U9.7 v1(51.44,121.79) ; v1(122.68,111.12) 123.19,111.63 U21.17 ; J12.38 6.35,62.1 8.13,62.1 9.4,63.37 U8.15 18.41,63.37 19.68,62.1 v1(20.57,62.1) 33.4,62.1 34.67,63.37 J10.38 43.94,63.37 45.21,62.1 46.23,62.1 47.5,63.37 U7.15 57.15,62.1 71.5,62.1 72.77,63.37 U5.13 78.74,63.37 80.01,62.1 93.6,62.1 94.87,63.37 J11.38 107.31,63.37 108.58,62.1 v1(113.28,62.1)
  Bottom w0.152: v1(20.57,62.1) 20.57,56.77 19.18,55.37 19.18,46.74 U24.2 20.32,43.69 22.1,41.91 25.4,41.91 U12.31 ; v1(51.44,121.79) 51.44,64.39 v1(50.42,63.37) ; v1(26.04,62.1) 26.04,108.08 29.21,111.25 29.21,112.9 U13.27 ; v1(113.28,62.1) v1(113.28,76.07) ; v1(122.68,76.07) v1(122.68,111.12)
/D3: length 336.8
  Top w0.152: U21.16 122.68,109.09 v1(122.17,108.59) ; v1(122.17,73.53) U6.5 v1(114.05,73.53) ; J12.39 8.13,60.83 9.4,62.1 18.41,62.1 19.68,60.83 U8.17 33.46,60.83 34.73,62.1 44.45,62.1 J10.39 46.99,62.1 56.64,62.1 57.91,60.83 U7.17 72.39,62.1 78.61,62.1 79.88,60.83 U5.15 93.6,60.83 94.74,61.98 108.08,61.98 J11.39 v1(114.05,60.83) ; v1(51.94,119.25) U9.8 57.91,119.25 59.18,117.98 69.85,117.98 U28.5 ; U13.19 19.43,114.17 18.29,113.03 v1(11.68,113.03)
  Bottom w0.152: v1(11.68,113.03) v1(11.68,62.1) ; v1(51.94,119.25) 51.94,63.63 v1(50.42,62.1) ; U12.30 30.48,39.24 26.92,42.8 23.37,42.8 22.86,43.31 U24.3 21.59,46.86 v1(21.59,60.83) ; v1(122.17,73.53) v1(122.17,108.59) ; v1(114.05,73.53) v1(114.05,60.83)
